# Allegro board T736_DEMO_DBOARD_V0-5-draft.brd (continued)
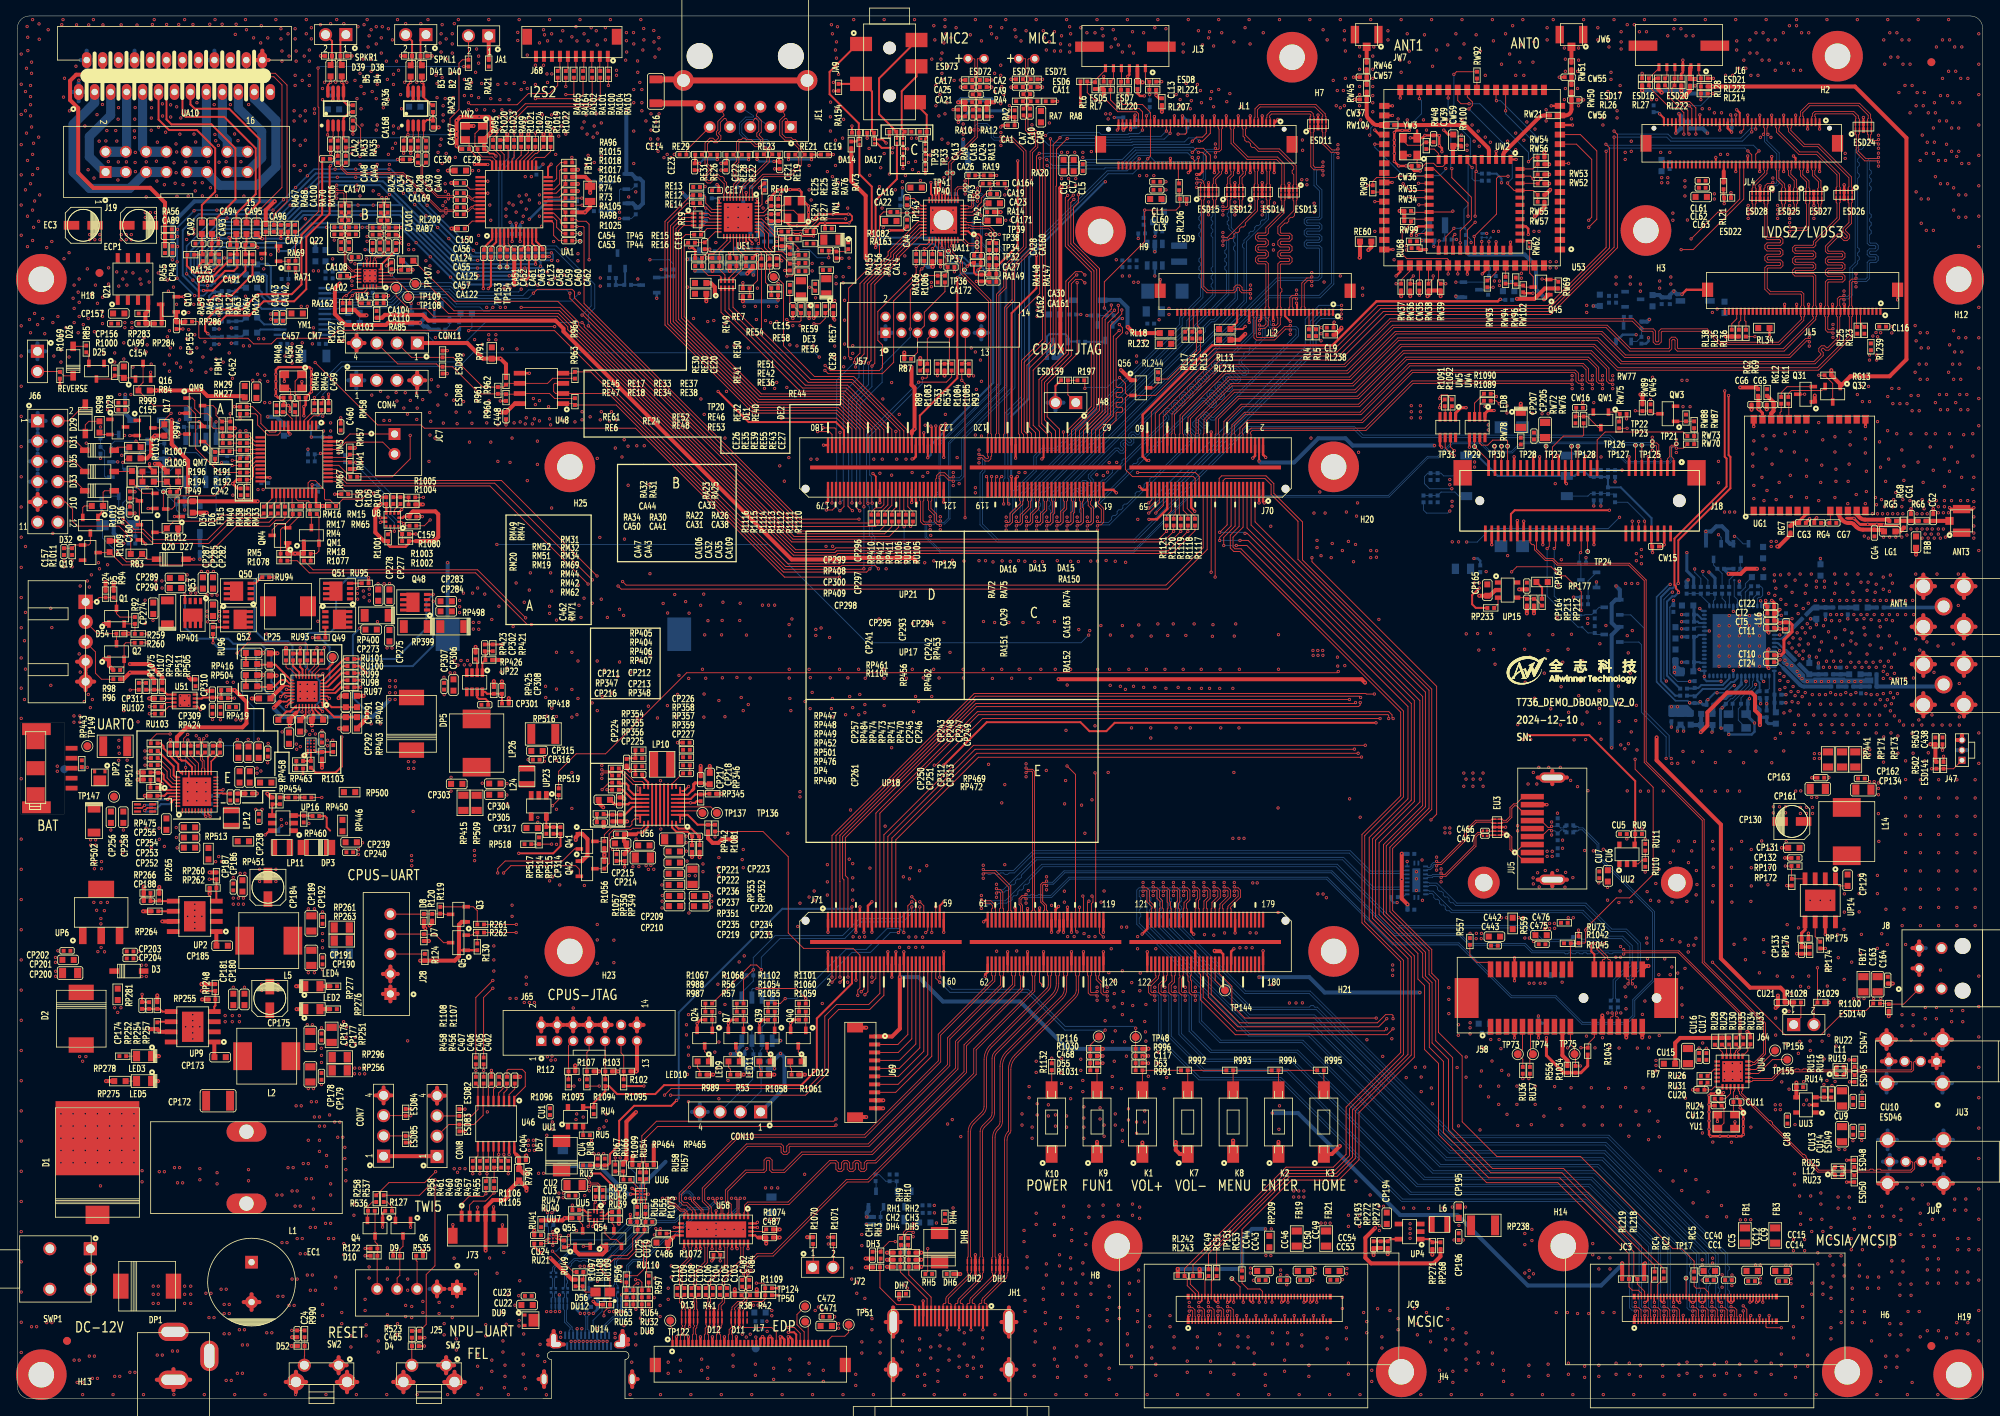
[diagram p0: board, top side]
## Footprints (pads in the part's own frame, mm; a bottom-side part is the same pattern mirrored in y, then rotated) (continued)
  rect 0.5x1.13 smd: 12(-4.5,-5.688) 13(-3.6,-5.688) 14(-2.7,-5.688) 15(-1.8,-5.688) 16(-0.9,-5.688) 17(0,-5.688) 18(0.9,-5.688) 19(1.8,-5.688) 20(2.7,-5.688) 21(3.6,-5.688) 22(4.5,-5.688) 34(4.5,5.688) 35(3.6,5.688) 36(2.7,5.688) 37(1.8,5.688) 38(0.9,5.688) 39(0,5.688) 40(-0.9,5.688) 41(-1.8,5.688) 42(-2.7,5.688) 43(-3.6,5.688) 44(-4.5,5.688)
SUB_WIFI64B2200_2200H290
  rect 1.3x0.75 smd: 1(-11,9) 2(-11,7.8) 3(-11,6.6) 4(-11,5.4) 5(-11,4.2) 6(-11,3) 7(-11,1.8) 8(-11,0.6) 9(-11,-0.6) 10(-11,-1.8) 11(-11,-3) 12(-11,-4.2) 13(-11,-5.4) 14(-11,-6.6) 15(-11,-7.8) 16(-11,-9) 33(11,-9) 34(11,-7.8) 35(11,-6.6) 36(11,-5.4) 37(11,-4.2) 38(11,-3) 39(11,-1.8) 40(11,-0.6) 41(11,0.6) 42(11,1.8) 43(11,3) 44(11,4.2) 45(11,5.4) 46(11,6.6) 47(11,7.8) 48(11,9)
  rect 0.75x1.3 smd: 17(-9,-11) 18(-7.8,-11) 19(-6.6,-11) 20(-5.4,-11) 21(-4.2,-11) 22(-3,-11) 23(-1.8,-11) 24(-0.6,-11) 25(0.6,-11) 26(1.8,-11) 27(3,-11) 28(4.2,-11) 29(5.4,-11) 30(6.6,-11) 31(7.8,-11) 32(9,-11) 49(9,11) 50(7.8,11) 51(6.6,11) 52(5.4,11) 53(4.2,11) 54(3,11) 55(1.8,11) 56(0.6,11) 57(-0.6,11) 58(-1.8,11) 59(-3,11) 60(-4.2,11) 61(-5.4,11) 62(-6.6,11) 63(-7.8,11) 64(-9,11)
SW5B830_1995H520
  rect 1.651x1.651 hole 1.1: 1(-2.54,4.374)
  round 1.651 hole 1.1: 2(0,4.374) 3(2.54,4.374) 4(-2.54,-0.706) 5(2.54,-0.706)
TO3B400_400H230_DIP
  rect 0.899x0.899 hole 0.599: 1(-1.27,0)
  round 0.899 hole 0.599: 2(0,0) 3(1.27,0)
TP30
  round 0.3 smd: 1(0,0)
TP100
  round 1.001 smd: 1(0,0)
unnamed#2
  round 1 smd: 1(0,0)
USB8P200B512_1925H1250
  rect 1.349x1.349 hole 0.919: 1(0,1.956)
  round 1.349 hole 0.919: 2(0,3.955) 3(0,5.954) 4(0,7.955)
  round 1.999 hole 1.349: 5(-2.736,8.225) 6(2.736,8.225) 7(-2.736,1.224) 8(2.736,1.224)
USB11P100B850_1500H1590_V_SMD
  rect 0.7x2.9 smd: 1(-3,2.51) 2(-1,2.51) 3(1,2.51) 4(3,2.51) 5(4,2.51) 6(2,2.51) 7(0,2.51) 8(-2,2.51) 9(-4,2.51)
  oval 1.3x3.3 hole 0.7x2.7: 10(-6.4,0) 11(6.4,0)
USB30P50B790_894H316_A
  oval 1x2 hole 0.6x1.6: 1(-4.32,3.275) 3(4.32,3.275)
  oval 1.6x1 hole 1.2x0.6: 2(-4.02,2.775) 4(4.02,2.775)
  oval 1x1.6 hole 0.6x1.2: 5(-5.52,-1.575) 6(5.52,-1.575)
  rect 0.25x0.95 smd: A1(-2.625,3.913) A2(-2.125,3.913) A3(-1.625,3.913) A4(-1.125,3.913) A5(-0.625,3.913) A6(-0.125,3.913) A7(0.375,3.913) A8(0.875,3.913) A9(1.375,3.913) A10(1.875,3.913) A11(2.375,3.913) A12(2.875,3.913) B1(2.625,2.56) B2(2.125,2.56) B3(1.625,2.56) B4(1.125,2.56) B5(0.625,2.56) B6(0.125,2.56) B7(-0.375,2.56) B8(-0.875,2.56) B9(-1.375,2.56) B10(-1.875,2.56) B11(-2.375,2.56) B12(-2.875,2.56)
X2B150_320H75_SMD
  rect 1.001x1.801 smd: 1(-1.25,0) 2(1.25,0)
X4B250_320H120_SMD
  rect 0.95x1.199 smd: 1(-0.874,1.1) 2(-0.874,-1.1) 3(0.874,-1.1) 4(0.874,1.1)

## Nets
3V3-STBY: D45.1 FB15.1 FBM1.1 RG9.1 RP278.2 RP281.2
+3V3A: CT36.1 CT37.1 FB12.2 FB13.1 L22.1 L23.2
+3V3D: CT34.1 CT35.1 FB11.2 FB12.1 L15.1 RA159.2 RT7.2 RT8.2 RT10.2
AVCC: J69.1 J71.38(P38) R996.1 R1030.1
AVDD10: CE9.2 CE10.2 CE11.2 RE5.2 UE1.3(AVDD10 3) UE1.8(AVDD10 8) UE1.38(AVDD10 38)
AVDD33: CE1.2 CE2.2 RE1.2 UE1.11(AVDD33 11) UE1.40(AVDD33 40)
DVDD: CA104.1 CA110.1 RA85.2 UA3.19(DVCC)
DVDD10: CE3.2 RE3.2 UE1.21(DVDD10 21)
DVDD33: CE4.2 CE5.2 RE4.2 RE11.1 RE13.1 RE36.2 RE42.2 RE44.2 RE51.2 RE54.2 RE58.2 UE1.29(DVDD33 29)
DVDD-CSI: CC5.2 CC46.2 JC3.56(P56) JC3.58(P58) JC9.56(P56) JC9.58(P58) RP238.2
DVDDRG: RE6.2 RE8.1 RE18.2 RE34.2 RE38.2 RE47.2 RE48.2 RE53.2 RE61.2 UE1.28(DVDD_RG)
GND: BT4.1(-) C24.2 C113.2 C117.1 C150.2 C151.2 C154.1 C155.1 C156.1 C157.1 C158.1 C159.1 C160.1 C163.2 C164.2 C242.2 C403.2 C404.1 C407.1 C438.1 C442.2 C443.2 C448.2 C449.1 C450.2 C451.2 C452.2 C453.2 C454.2 C455.2 C456.2 C457.1 C458.1 C459.1 C460.1 C461.1 C462.1 C465.2 C468.1 C471.2 C472.2 C473.2 C474.2 C475.2 C476.2 C477.2 C478.2 C479.1 C486.2 C487.1 CA1.1 CA2.2 CA3.1 CA4.2 CA5.1 CA6.1 CA11.1 CA13.1 CA14.1 CA15.2 CA16.2 CA17.2 CA25.1 CA27.2 CA31.1 CA34.2 CA36.2 CA37.2 CA38.2 CA41.1 CA42.2 CA45.2 CA46.2 CA50.2 CA56.2 CA64.1 CA65.1 CA66.2 CA89.2 CA90.1 CA91.1 CA96.1 CA97.1 CA98.1 CA100.2 CA101.2 CA102.2 CA103.2 CA104.2 CA105.2 CA106.2 CA107.2 CA108.2 CA109.2 CA110.2 CA122.2 CA123.1 CA138.2 CA139.2 CA140.2 CA141.2 CA142.2 CA143.2 CA144.2 CA145.2 CA147.2 CA151.2 CA152.2 CA153.2 CA158.2 CA159.2 CA161.2 CA162.2 CA167.2 CA168.2 CA172.2 CC1.1 CC5.1 CC9.1 CC12.1 CC14.1 CC15.1 CC40.1 CC43.1 CC44.1 CC46.1 CC49.1 CC50.1 CC53.1 CC54.1 CE1.1 CE2.1 CE3.1 CE4.1 CE5.1 CE6.1 CE7.1 CE8.1 CE9.1 CE10.1 CE11.1 CE14.2 CE15.1 CE16.1 CE17.1 CE18.2 CE19.1 CE20.1 CE21.1 CE22.1 CE23.1 CE24.1 CE25.1 CE26.1 CE27.1 CE28.1 CE29.1 CE30.1 CH1.1 CH2.1 CH3.1 CH4.1 CH5.1 CL1.2 CL2.1 CL3.2 CL4.2 CL5.2 CL6.2 CL7.2 CL8.2 CL9.1 CL11.1 CL12.1 CL13.2 CL14.2 CL15.2 CL16.1 CL18.1 CL19.1 CL20.2 CL60.2 CL61.2 CL62.2 CL63.2 CL64.2 CL65.2 CL66.2 CL67.1 CL68.1 CL69.1 CM7.1 CON4.4 CON7.4 CON8.4 CON10.4 CON11.4 CP48.1 CP130.2 CP131.1 CP132.1 CP134.2 CP155.2 CP156.1 CP157.1 CP161.2 CP162.1 CP163.1 CP164.1 CP165.1 CP166.1 CP172.2 CP175.2 CP176.2 CP177.1 CP178.2 CP179.1 CP180.1 CP181.1 CP184.2 CP186.1 CP187.1 CP189.2 CP190.2 CP191.1 CP192.1 CP194.2 CP195.2 CP196.2 CP200.1 CP201.1 CP202.1 CP203.1 CP204.1 CP205.2 CP206.2 CP207.1 CP208.1 CP209.1 CP210.1 CP211.2 CP212.2 CP213.2 CP214.2 CP215.2 CP216.2 CP217.2 CP218.2 CP219.1 CP220.1 CP221.1 CP222.1 CP224.2 CP226.2 CP233.1 CP234.1 CP235.1 CP236.1 CP237.1 CP238.2 CP239.1 CP240.1 CP241.2 CP242.2 CP243.1 CP244.1 CP245.2 CP246.2 CP247.1 CP248.1 CP249.1 CP252.1 CP253.1 CP254.1 CP255.2 CP256.2 CP257.1 CP258.1 CP260.1 CP261.1 CP275.2 CP276.2 CP277.2 CP278.2 CP279.2 CP280.2 CP281.2 CP282.2 CP283.2 CP284.2 CP285.2 CP286.2 CP287.2 CP288.2 CP289.2 CP290.2 CP291.2 CP292.2 CP293.1 CP296.2 CP297.2 CP298.2 CP299.2 CP300.2 CP303.2 CP304.2 CP305.2 CP306.2 CP307.2 CP308.2 CP309.1 CP310.1 CP311.2 CP312.2 CP313.2 CP315.2 CP316.2 CP317.2 CT40.1 CU1.1 CU2.1 CU3.1 CU4.1 CU5.1 CU6.1 CU7.1 CU8.1 CU9.1 CU10.1 CU11.2 CU12.2 CU13.1 CU14.1 CU15.1 CU16.1 CU17.1 CU18.1 CU19.1 CU20.1 CU21.1 CU22.2 CU23.2 CU24.1 CU25.1 CW14.1 CW15.2 CW16.1 CW17.1 CW18.1 CW19.1 CW20.1 CW21.1 CW22.1 CW23.1 CW35.1 CW36.2 CW37.1 CW39.2 CW45.1 CW53.2 CW54.1 CW55.1 CW56.1 CW57.1 CW59.2 D1.1 D3.1 D4.1(ANODE) D5.1(ANODE) D7.1(ANODE) D8.1(ANODE) D9.1(ANODE) D10.1(ANODE) D11.3(GND1) D11.8(GND2) D12.3(GND1) D12.8(GND2) D13.3(GND1) D13.8(GND2) D25.1 D27.1 D28.1 D30.1 D32.1 D34.1 D36.1 D38.1(ANODE) D39.1(ANODE) D40.1(ANODE) D41.1(ANODE) D52.1(ANODE) D53.1(ANODE) D54.1(ANODE) D55.1(ANODE) DA13.1(ANODE) DA14.1(ANODE) DA15.1(ANODE) DA16.1(ANODE) DA17.1(ANODE) DH1.3(GND1) DH1.8(GND2) DH2.3(GND1) DH2.8(GND2) DH3.1(ANODE) DH4.1(ANODE) DH5.1(ANODE) DH6.1(ANODE) DH7.1(ANODE) DH10.1(ANODE) DU8.1(ANODE) DU9.1 DU9.2 DU10.1(ANODE) DU11.1(ANODE) DU12.1(ANODE) DU13.1(ANODE) DU14.1(ANODE) EC1.2 EC3.2 ECP1.2 ESD5.1(ANODE) ESD6.1(ANODE) ESD7.1(ANODE) ESD8.1(ANODE) ESD9.1(ANODE) ESD10.1(ANODE) ESD11.3(GND1) ESD11.8(GND2) ESD12.3(GND1) ESD12.8(GND2) ESD13.3(GND1) ESD13.8(GND2) ESD14.3(GND1) ESD14.8(GND2) ESD15.3(GND1) ESD15.8(GND2) ESD16.1(ANODE) ESD17.1(ANODE) ESD20.1(ANODE) ESD21.1(ANODE) ESD22.1(ANODE) ESD23.1(ANODE) ESD24.3(GND1) ESD24.8(GND2) ESD25.3(GND1) ESD25.8(GND2) ESD26.3(GND1) ESD26.8(GND2) ESD27.3(GND1) ESD27.8(GND2) ESD28.3(GND1) ESD28.8(GND2) ESD42.1(ANODE) ESD43.1(ANODE) ESD44.1(ANODE) ESD45.1(ANODE) ESD46.1(ANODE) ESD47.1(ANODE) ESD48.1(ANODE) ESD49.1(ANODE) ESD50.1(ANODE) ESD54.2(CATHODE) ESD55.2(CATHODE) ESD56.2(CATHODE) ESD57.2(CATHODE) ESD70.1(ANODE) ESD71.1(ANODE) ESD72.1(ANODE) ESD73.1(ANODE) ESD82.1(ANODE) ESD83.1(ANODE) ESD84.1(ANODE) ESD85.1(ANODE) ESD86.1(ANODE) ESD87.1(ANODE) ESD88.1(ANODE) ESD89.1(ANODE) ESD139.1(ANODE) ESD140.1(ANODE) ESD141.1(ANODE) EU1.3(GND#3) EU1.8(GND#8) EU2.3(GND#3) EU2.8(GND#8) EU3.3(GND#3) EU3.8(GND#8) FB8.2 FB14.1 H2.1 H3.1 H4.1 H6.1 H7.1 H8.1 H9.1 H12.1 H13.1 H14.1 H18.1 H19.1 H20.1 H21.1 H23.1 H25.1 J1.2(CENTER2) J3.1(GND) J3.9(GND1) J3.10(GND2) J3.11(GND3) J3.12(GND4) J8.3(GND) J10.9 J18.4(GND8) J18.9(GND0) J18.15(GND1) J18.18(GND9) J18.21(GND2) J18.26(GND10) J18.27(GND3) J18.29(GND4) J18.34(GND11) J18.35(GND5) J18.37(GND6) J18.40(GND12) J18.43(GND7) J18.50(GND13) J18.53 J18.54 J18.55 J18.56 J24.4 J24.5 J25.1 J25.2 J28.1 J28.2 J47.2(GND) J48.2 J57.2 J57.4 J57.6 J57.8 J57.10 J57.14 J58.37(GND-FIX#37) J58.38(GND-FIX#38) J58.A4(GND5) J58.A12(GND6) J58.A15(GND7) J58.A18(GND8) J58.B4(GND1) J58.B7(GND2) J58.B13(GND3) J58.B16(GND4) J58.B18(GND) J65.2 J65.4 J65.6 J65.8 J65.10 J65.14 J68.9 J68.10 J68.11 J68.12 J69.9 J69.10 J69.11 J69.12 J70.1(P1) J70.2(P2) J70.6(P6) J70.28(P28) J70.37(P37) J70.49(P49) J70.50(P50) J70.59(P59) J70.60(P60) J70.61(P61) J70.83(P83) J70.105(P105) J70.106(P106) J70.121(P121) J70.122(P122) J70.136(P136) J70.137(P137) J70.179(P179) J70.180(P180) J70.181(GND1) J70.182(GND2) J70.183(GND3) J71.1(P1) J71.2(P2) J71.15(P15) J71.19(P19) J71.23(P23) J71.32(P32) J71.36(P36) J71.40(P40) J71.59(P59) J71.60(P60) J71.61(P61) J71.62(P62) J71.72(P72) J71.75(P75) J71.81(P81) J71.82(P82) J71.87(P87) J71.90(P90) J71.93(P93) J71.99(P99) J71.103(P103) J71.104(P104) J71.110(P110) J71.119(P119) J71.120(P120) J71.121(P121) J71.122(P122) J71.143(P143) J71.146(P146) J71.165(P165) J71.180(P180) J71.181(GND1) J71.182(GND2) J71.183(GND3) J73.5 J73.6 J73.7 JC3.1(P1) JC3.7(P7) JC3.10(P10) JC3.13(P13) JC3.14(P14) JC3.18(P18) JC3.19(P19) JC3.20(P20) JC3.25(P25) JC3.26(P26) JC3.28(P28) JC3.30(P30) JC3.31(P31) JC3.36(P36) JC3.37(P37) JC3.40(P40) JC3.42(P42) JC3.43(P43) JC3.46(P46) JC3.49(P49) JC3.50(P50) JC3.54(P54) JC3.55(P55) JC3.60(P60) JC3.61(P61) JC3.62(P62) JC3.64(P64) JC3.67(P67) JC3.73(P73) JC3.74(P74) JC3.76(P76) JC3.78(P78) JC3.79(P79) JC3.80(P80) JC3.82(P82) JC3.85(P85) JC9.1(P1) JC9.7(P7) JC9.10(P10) JC9.13(P13) JC9.14(P14) JC9.18(P18) JC9.19(P19) JC9.20(P20) JC9.25(P25) JC9.26(P26) JC9.28(P28) JC9.30(P30) JC9.31(P31) JC9.36(P36) JC9.37(P37) JC9.40(P40) JC9.42(P42) JC9.43(P43) JC9.46(P46) JC9.49(P49) JC9.50(P50) JC9.54(P54) JC9.55(P55) JC9.60(P60) JC9.61(P61) JC9.62(P62) JC9.64(P64) JC9.67(P67) JC9.73(P73) JC9.74(P74) JC9.76(P76) JC9.78(P78) JC9.79(P79) JC9.80(P80) JC9.82(P82) JC9.85(P85) JE1.10(GND) JH1.2(G_D2) JH1.5(G_D1) JH1.8(G_D0) JH1.11(G_CLK) JH1.17(G_DDC/CEC) JH1.20(SHIELD1) JH1.21(SHIELD2) JH1.22(SHIELD3) JH1.23(SHIELD4) JL1.1(P1) JL1.2(P2) JL1.7(P7) JL1.8(P8) JL1.13(P13) JL1.14(P14) JL1.19(P19) JL1.20(P20) JL1.25(P25) JL1.26(P26) JL1.31(P31) JL1.32(P32) JL1.37(P37) JL1.38(P38) JL1.41(P41) JL1.44(P44) JL1.47(P47) JL1.51(P51) JL1.54(P54) JL1.61(P61) JL1.62(P62) JL1.64(P64) JL1.66(P66) JL1.68(P68) JL1.70(P70) JL1.73(P73) JL1.79(P79) JL1.81(GND0) JL1.82(GND1) JL2.10(VSS0) JL2.13(VSS1) JL2.16(VSS2) JL2.19(GND1) JL2.22(GND2) JL2.25(GND3) JL2.41(GND4) JL2.42(GND5) JL3.3(GND) JL3.7(GND0) JL3.8(GND1) JL4.1(P1) JL4.2(P2) JL4.7(P7) JL4.8(P8) JL4.13(P13) JL4.14(P14) JL4.19(P19) JL4.20(P20) JL4.25(P25) JL4.26(P26) JL4.31(P31) JL4.32(P32) JL4.37(P37) JL4.38(P38) JL4.41(P41) JL4.44(P44) JL4.47(P47) JL4.51(P51) JL4.54(P54) JL4.61(P61) JL4.62(P62) JL4.64(P64) JL4.66(P66) JL4.68(P68) JL4.70(P70) JL4.73(P73) JL4.79(P79) JL4.81(GND0) JL4.82(GND1) JL5.10(VSS0) JL5.13(VSS1) JL5.16(VSS2) JL5.19(GND1) JL5.22(GND2) JL5.25(GND3) JL5.41(GND4) JL5.42(GND5) JL6.3(GND) JL6.7(GND0) JL6.8(GND1) JL7.2(39_HGND5) JL7.5(36_H_GND4) JL7.8(33_H_GND3) JL7.11(30_H_GND2) JL7.14(27_H_GND1) JL7.17(24_H_GND0) JL7.23(18_LCD_GND3) JL7.24(17_LCD_GND2) JL7.25(16_LCD_GND1) JL7.26(15_LCD_GND0) JL7.28(13_BL_GND3) JL7.29(12_BL_GND2) JL7.30(11_BL_GND1) JL7.31(10_BL_GND0) JU2.1(SHIELD1) JU2.2(SHIELD2) JU2.3(SHIELD3) JU2.4(SHIELD4) JU2.5(SHIELD5) JU2.6(SHIELD6) JU2.A1(GND2) JU2.A12(GND1) JU2.B1(GND4) JU2.B12(GND3) JU3.4(GND) JU3.5(SHIELD1) JU3.6(SHIELD2) JU3.7(SHIELD3) JU3.8(SHIELD4) JU4.4(GND) JU4.5(SHIELD1) JU4.6(SHIELD2) JU4.7(SHIELD3) JU4.8(SHIELD4) JU5.4(GND) JU5.7(GND-DRAIN) JU5.10(SHIELD-1) JU5.11(SHIELD-2) JW6.1(G1) JW6.2(G2) JW7.1(G1) JW7.2(G2) K1.1 K2.1 K3.1 K7.1 K8.1 K9.1 K10.1 LED2.2(C) LED3.2(C) LED4.2(C) LED5.2(C) Q7.2(E) Q10.2(E) Q14.2(E) Q16.2(E) Q17.2(E) Q18.2(E) Q19.2(E) Q20.2(E) Q22.2(E) Q24.2(E) Q39.2(E) Q40.2(E) Q47.2(E) Q51.1(S1) Q51.2(S2) Q51.3(S3) Q52.1(S1) Q52.2(S2) Q52.3(S3) QH5.2(E) QL2.2(E) QL4.2(E) QM7.2(E) QM9.2(E) QW1.2(E) QW2.2(E) QW3.2(E) R41.1 R42.1 R57.1 R86.2 R94.2 R106.2 R120.2 R122.2 R196.2 R199.1 R453.2 R533.2 R557.1 R960.2 R987.1 R999.2 R1000.2 R1003.1 R1008.2 R1011.2 R1015.1 R1016.1 R1017.1 R1019.1 R1020.1 R1021.1 R1022.1 R1023.1 R1024.1 R1029.1 R1037.1 R1045.2 R1055.1 R1059.1 R1069.1 R1071.1 R1072.1 R1073.1 R1074.1 RA8.1 RA13.1 RA14.1 RA18.2 RA19.2 RA20.2 RA22.2 RA24.1 RA26.1 RA30.2 RA34.1 RA56.1 RA70.1 RA71.1 RA116.1 RA119.1 RA120.1 RA121.1 RA135.1 RA136.1 RA143.1 RA150.2 RA151.1 RA152.1 RA154.1 RE10.1 RE17.1 RE27.1 RE33.1 RE37.1 RE39.1 RE41.1 RE45.1 RE46.1 RE49.1 RE50.1 RE52.1 RE55.1 RE59.1 RH21.2 RH25.1 RL9.2 RL12.1 RL13.1 RL30.2 RL33.1 RL34.1 RL225.2 RL227.1 RL230.1 RL236.2 RM20.1 RM52.1 RM62.2 RM63.2 RM67.2 RP172.1 RP174.1 RP175.1 RP213.2 RP254.1 RP255.2 RP257.1 RP262.1 RP264.1 RP265.1 RP271.2 RP273.1 RP346.2 RP348.2 RP350.1 RP411.1 RP412.1 RP423.1 RP424.1 RP425.1 RP426.1 RP458.2 RP459.2 RP460.2 RP462.1 RP472.2 RP491.2 RP492.2 RP505.1 RP512.1 RP514.1 RP517.2 RU4.1 RU5.1 RU8.1 RU9.1 RU10.1 RU11.1 RU14.1 RU15.1 RU16.1 RU32.2 RU33.1 RU65.2 RW33.2 RW43.1 RW47.1 RW56.1 RW57.1 RW77.1 RW82.1 RW88.1 RW102.1 SW2.1 SW2.3 SW2.4 SW3.1 SW3.3 SW3.4 U8.4(NC) U8.8(GNDIO) U8.9(GND) U43.4(GND) U46.15(GND) U47.5(GND) U48.5(GND) U53.1(GND1) U53.14(GND2) U53.16(GND3) U53.32(GND4) U53.33(GND5) U53.34(GND6) U53.36(GND7) U53.41(GND8) U53.48(GND9) U53.49(GND10) U53.56(GND11) U53.58(GND12) U53.63(GND13) U53.64(GND14) U56.5(AGND) U56.13(PGND) U57.14(GND) U58.18(GND1) U58.22(GND2) U58.25(GND3) U58.29(GND4) U58.35(GND5) U58.38(GND6) U58.42(GND7) U58.43(EPAD) U59.5(GND1) U59.11(GND2) U59.20(GND3) U59.21(EPAD) UA1.7(VSS1) UA1.24(VSS2) UA1.38(VSS3) UA1.41(VSS4) UA2.7(GND) UA3.9(AGND) UA3.14(DEV_ID0) UA3.15(DEV_ID1) UA3.21(GND) UA4.7(GND) UA10.1(TAB) UA10.2(P-GND01) UA10.8(P-GND02) UA10.13(S-GND) UA10.18(P-GND03) UA10.24(P-GND04) UA11.41(E-PAD/GND) UE1.41(EGND) UL1.2(GND) UM3.8(VSSA) UM3.23(VSS_1) UM3.35(VSS_2) UM3.47(VSS_3) UP2.7(GND) UP2.9(EPAD) UP4.2(GND) UP6.2(GND) UP6.4(EGND) UP9.7(GND) UP9.9(EPAD) UP14.7(GND) UP14.9(EPAD) UP15.2(GND) UP16.2(GND) UP17.A1(EN#) UP17.A4(GND0) UP17.B4(GND1) UP17.C4(GND2) UP18.28(GND) UP18.41(EP) UP21.33(EPAD) UP22.3(GND#3) UP22.4(GND#4) UP23.2(GND) UU1.2(GND) UU2.2(GND) UU3.2(GND) UU4.25(GND) UU5.6(GND) UU6.C2(GND) UU7.C2(GND) UW2.1(GND1) UW2.3(GND2) UW2.20(GND3) UW2.31(GND4) UW2.33(GND5) UW2.36(GND6) UW4.5(GND) UW5.5(GND) YM1.2(GND2) YM1.4(GND1) YN1.2(GND1) YN1.4(GND2) YN2.2(GND1) YN2.4(GND2) YU1.2(GND1) YU1.4(GND2) YW3.2(GND1) YW3.4(GND2)
GND-BAT: DP2.1 DP2.2 JP11.4 JP11.5 JP11.6 JP12.3(GND) RP443.1 RP505.2 RP512.2 TP149.1(TP) U51.4(GND) U51.9(EP)
GND_ADC: ANT4.2 ANT4.3 ANT4.4 ANT4.5 ANT5.2 ANT5.3 ANT5.4 ANT5.5 CT1.2 CT2.2 CT5.2 CT6.1 CT7.1 CT8.1 CT9.1 CT10.1 CT11.2 CT12.2 CT13.1 CT14.1 CT21.1 CT22.1 CT24.1 CT26.2 CT27.1 CT28.1 CT29.1 CT30.1 CT31.1 CT32.2 CT33.2 CT34.2 CT35.2 CT36.2 CT37.2 CT38.2 CT39.2 FB14.2 L17.2 L19.1 RT11.2 RT12.1 RT15.1 UT1.2(SIG_GND_DAB3) UT1.6(SIG_GND_FM1-01) UT1.7(SIG_GND_FM1-02) UT1.10(SIG_GND_FM2-01) UT1.11(SIG_GND_FM2-02) UT1.15(GND_RF) UT1.19(GND_PLL) UT1.23(GND_GLOBAL) UT1.26(GND_DAC) UT1.33(GND_DIG-03) UT1.43(GND_DIG-02) UT1.48(GND_DIG-01) UT1.55(TEST_D) UT1.62(DABL_IN) UT1.63(GND_DABL) UT1.65(EPAD) Y4.2 Y4.4
GND_SIGNAL: ANT3.1(CENTER2) ANT3.2(SHIELD2) CG1.1 CG2.1 CG3.1 CG4.1 CG5.1 CG6.1 CG7.2 FB8.1 UG1.10(GND1) UG1.12(GND2) UG1.13(GND3) UG1.24(GND4)
VBAT: CP256.1 CP258.2 DP2.3 JP11.1 JP11.2 JP11.7 JP12.1(BAT) RP475.4(O2) RP475.6(O1) RP502.2 TP147.1(TP)
VBAT-H: CP274.2 CP289.1 CP290.1 RP401.1 RP419.2 RP502.1 UP21.20(CSN_VBAT)
VBUS: CP273.1 CP275.1 CP276.1 CP277.1 CP278.1 CP279.1 CP280.1 Q48.5(D1) RP399.1 RP400.2 RP402.2 UP21.3(VBUS)
VBUS-5V-1: CU6.2 CU7.2 ESD44.2(CATHODE) JU5.1(VBUS) UU2.1(OUT)
VBUS-5V-2: CU9.2 CU10.2 CU13.2 CU14.2 ESD46.2(CATHODE) ESD49.2(CATHODE) JU3.1(VBUS) JU4.1(VBUS) UU3.1(OUT)
VBUS-AXP515-ONBOARD: CP241.1 CP243.2 CP247.2 CP248.2 CP249.2 RP444.1 RP445.1 RP476.1 UP17.A2(OUT0) UP17.A3(OUT1) UP17.B2(OUT2) UP18.19(VBUS1) UP18.20(VBUS2)
VBUS-BMU-ONBOARD: CP252.2 CP253.2 CP254.2 LP12.2 RP451.2 RP513.2 UP18.4(VSYS1) UP18.5(VSYS2) UP18.6(VSYS3) UP18.7(VSYS4)
VBUSM: RU29.2 UU4.17(VBUSM)
VCC: CP298.1 UP21.19(VCC)
VCC33-USB: J71.97(P97) RP464.1 RP465.1 RU38.1 RU39.2 RU40.2 RU41.2 UU6.A3(VDD)
VCC33-USB-2: CU21.2 J71.95(P95) R1028.2 R1122.2 R1123.2 RU68.2 U59.6(VCC)
VCC33-VL: CA140.1 CA141.1 RA132.1 RA145.2 RA160.1 RL233.2 U57.1(VL)
VCC-1V8: J71.167(P167) J71.169(P169)
VCC-1V8-AUDIO: J70.135(P135) RA85.1
VCC-3V3: C152.2 CL8.1 CL15.1 FB3.2 FB7.1 FB21.2 J57.1 J57.13 J68.8 J71.171(P171) J71.173(P173) J71.175(P175) J73.4 JL1.75(P75) JL1.77(P77) JL4.75(P75) JL4.77(P77) Q12.2(S) R53.2 R79.2 R96.1 R535.1 R790.2 R791.2 R989.2 R1058.2 R1061.2 RA21.2 RA86.1 RA158.1 RA159.1 RA160.2 RA161.1 RG2.1 RG7.1 RL3.2 RL28.2 RL238.2 RL239.2 RP422.2 RP516.2
VCC-3V3-CODEC: CA3.2 CA5.2 CA6.2 RA161.2 UA11.15(VCC)
VCC-3V3-DEV: J71.177(P177) J71.179(P179) RE60.1 RU68.1 RU73.1 RW99.1 RW100.1
VCC-3V3-EN: J71.158(P158) RP519.2
VCC-3V3-GPHY: J70.155(P155) RE1.1 RE4.1 RE60.2 RE61.1
VCC-3V3-PCIE: C475.1 C476.1 C477.1 C478.1 J58.A9(+3.3V-2) J58.A10(+3.3V-3) J58.B8(+3.3V-1) J71.160(P160) R556.2 R1034.2 R1042.2 R1043.2 RP441.2 RU73.2
VCC-3V3-WIFI: CW59.1 J70.153(P153) RW100.2 U53.3(VDD33_WL1) U53.4(VDD33_WL2) U53.5(VDD33_WL3) UW2.9(VBAT)
VCC-5V: B1.1 C471.1 C472.1 CH6.2 CL1.1 CL3.1 CL60.1 CL61.1 CL62.1 CL63.1 CP194.1 FB1.2 FB17.1 FB19.2 J71.168(P168) J71.170(P170) JL1.56(P56) JL1.58(P58) JL1.60(P60) JL4.56(P56) JL4.58(P58) JL4.60(P60) JL7.36(5_BL_PWR_3) JL7.37(4_BL_PWR_2) JL7.38(3_BL_PWR_1) JL7.39(2_BL_PWR_0) QH4.2(S) RA162.1 RH20.2 RL226.1 RP253.2 RP256.2 RP261.2 RP263.2 RP268.2 RP277.2 RP415.1 RP416.2 RP484.1 RP500.1 UP4.4(IN) UU6.B1(VCONN)
VCC-5V-COD: CA142.1 CA143.1 RA162.2 U57.15(VA)
VCC-5V-HDMI: DH7.2(CATHODE) DH9.2 JH1.18(+5V) RH1.2 RH2.2
VCC-5V-ONBOARD: RP446.1 RP469.1 RP500.2
VCC-5V-SPA: B1.2 CA36.1 CA37.1 CA45.1 CA46.1 UA2.6(VDD) UA4.6(VDD)
VCC-5V-USB: CU1.2 CU5.2 CU8.2 RP259.2 RP296.2 RP299.2 RP300.2 UU1.5(IN) UU2.5(IN) UU3.5(IN)
VCC-12V-PCIE: C442.1 C443.1 C473.1 C474.1 J58.A2(+12V-4) J58.A3(+12V-5) J58.B1(+12V-1) J58.B2(+12V-2) J58.B3(+12V-3) R559.2
VCC-232-3V3: C402.2 C404.2 CON7.1 CON8.1 R790.1 U46.16(VCC)
VCC-485-3V3: C403.1 C448.1 CON10.1 CON11.1 R451.1 R791.1 R962.1 U47.8(VCC) U48.8(VCC)
VCC-CTP0: CL13.1 JL3.2(VCC) RL3.1
VCC-CTP1: CL20.1 JL6.2(VCC) RL28.1
VCC-DSP-3V3: C150.1 C151.1 FB16.1 Q12.3(D) R71.2 R72.2 R1018.2 RA158.2 UA1.25(TVDD) UA1.37(VDD33) UA1.39(LVDD)
VCC-IO: J71.164(P164) Q1.1(G) Q2.1(G) R87.2 R89.2 R93.2 R98.1 R534.2 RA94.2 RA163.1 RA166.1 RH4.1
VCC-LCD: CL9.2 JL2.2(VDD0) JL2.3(VDD1) JL2.4(VDDEDID) RL4.1 RL5.1 RL14.1 RL17.2 RL238.1 RL244.1
VCC-LCD1: CL16.2 JL5.2(VDD0) JL5.3(VDD1) JL5.4(VDDEDID) RL23.1 RL25.1 RL35.1 RL38.2 RL239.1 RP304.1
VCC-LCD-EDP: C113.1 C479.2 C486.1 C487.2 DH10.2(CATHODE) JL7.18(23_LCD_VCC3) JL7.19(22_LCD_VCC2) JL7.20(21_LCD_VCC1) JL7.21(20_LCD_VCC0) R38.2 R1070.2 R1109.2 RP304.2 U58.9(VCC1) U58.19(VCC2) U58.21(VCC3) U58.26(VCC4) U58.31(VCC5) U58.34(VCC6) U58.39(VCC7) U58.41(VCC8)
VCC-LTE18: RP177.2 RW80.2 RW81.2 UW4.4(OE) UW4.8(VCCA) UW5.4(OE) UW5.8(VCCA)
VCC-MCU: C153.2 C452.1 C453.1 C454.1 C455.1 C458.2 C459.2 C460.2 C461.2 C462.2 CON4.1 FBM1.2 Q15.2(E) R82.1 R84.2 R997.2 R1004.2 R1006.2 R1009.2 R1012.2 RH23.1 RM15.2 RM17.2 RM48.2 RM57.1 RM58.1 RM65.1 RM70.2 RM71.2 RW89.2 UM3.1(VBAT) UM3.9(VDDA) UM3.24(VDD_1) UM3.36(VDD_2) UM3.48(VDD_3)
VCC-PD: J70.107(P107) RL6.2 RL7.2 RL207.2 RL220.2 RL221.2
VCC-PE: J70.3(P3) Q54.1(G) Q55.1(G) Q56.1(G) RL218.2 RL219.2 RL242.2 RL243.2 RP209.1
VCC-PG: J70.92(P92) RP456.1 RW103.1
VCC-PH: J70.138(P138) Q25.1(G) Q26.1(G) Q27.1(G) Q28.1(G) R69.2 R70.2 R1026.2 R1027.2 RA15.1 RA16.1 RA17.1 RE6.1
VCC-PI: J71.21(P21) Q29.1(G) Q30.1(G) Q31.1(G) Q32.1(G) Q41.1(G) Q42.1(G) RG13.2 RL26.2 RL27.2 RL222.2 RL223.2 RP442.2
VCC-PJ: J70.4(P4) RL215.2 UW4.1(VCCB) UW5.1(VCCB)
VCC-PK: J71.124(P124)
VCC-PL: J65.1 J65.13 J71.34(P34) Q3.1(G) Q4.1(G) Q5.1(G) Q6.1(G) Q9.1(G) Q23.1(G) QM1.1(GATE) QM4.1(GATE) R102.2 R103.2 R107.2 R112.2 R124.1 R127.1 R130.1 R466.2 R469.2 R502.2 R503.2 R1062.2 RM5.2 RM18.2 RP511.2 RT13.2 RT14.2 RU54.1 RU109.2
VCC-PM: J71.17(P17) Q45.1(G) Q46.1(G) RW31.2
VCC-RTC: J71.101(P101) RM47.2 RP501.1
VCC-RTC-IC: C449.2 D45.2 D46.2 R465.2 R785.2 U43.8(VDD)
VCC-SYS-5V: CP317.1 J71.172(P172) J71.174(P174) J71.176(P176) RP247.2 RP251.2 RP276.2 RP509.1 RP513.1 RP518.2 UP23.4(IN)
VCCA-DSP-3V3: CA64.2 CA65.2 CA66.1 FB16.2 RA105.1 UA1.6(AVDD) UA1.8(VREFH)
VCCIO-CAM: CC1.2 CC40.2 CC43.2 CC44.2 JC3.52(P52) JC9.52(P52) RP209.2
VCCIO-CODEC: CA4.1 RA163.2 UA11.25(VDD-IO)
VCCIO-LCD0: CL4.1 JL1.71(P71) RL207.1
VCCIO-LCD1: CL14.1 JL4.71(P71) RL215.1
VCCIO-WIFI: CW22.2 CW53.1 CW54.2 RW34.2 RW35.2 RW36.2 RW37.2 RW38.2 RW39.2 RW40.2 RW44.2 RW52.2 RW53.2 RW54.2 RW55.2 RW69.2 RW96.2 RW97.2 RW99.2 RW103.2 U53.61(VDD_IO1) U53.62(VDD_IO2) UW2.22(VDDIO)
2.5_VREF: CT2.1 CT5.1 CT10.2 CT22.2 L16.1 UT1.1(DA3B_VCC) UT1.4(REF1_FM_DAB) UT1.12(FM2_VCC) UT1.64(DABL_VCC)
4G-I2C-SCK: J18.30(I2C_SCL) Q29.3(D) RW80.1 TP25.1(TP)
4G-I2C-SDA: J18.32(I2C_SDA) Q30.3(D) RW81.1 TP26.1(TP)
4G-I2S-BCLK: R1089.2 UW4.2(B1)
4G-I2S-DIN: R1092.2 UW5.2(B1)
4G-I2S-DOUT: R1091.2 UW5.3(B2)
4G-I2S-LRCK: R1090.2 UW4.3(B2)
4G-LED: J18.42(LED_WWAN#) LED8.2(C)
4G-WAKEUP-MCU: CW45.2 QW3.3(C) RM45.1 RW89.1
A1: CON10.2 ESD86.2(CATHODE) R450.1 R451.2 R452.1 U47.6(A)
A2: CON11.2 ESD89.2(CATHODE) R961.1 R962.2 R964.1 U48.6(A)
AC107-RST: CA101.1 RA87.1 RL209.2 UA3.4(RETN)
ACC-DET: D29.2 J10.2
AMP-12V: CP48.2 ECP1.1 Q21.5(D-4) Q21.6(D-3) Q21.7(D-2) Q21.8(D-1) RA55.2 RA67.2 UA10.6(VCC01) UA10.20(VCC02)
AMP-FL+: J19.6 J19.8 UA10.9(OUT1+)
AMP-FL-: J19.2 J19.4 UA10.7(OUT1-)
AMP-FR+: J19.1 J19.3 UA10.5(OUT2+)
AMP-FR-: J19.5 J19.7 UA10.3(OUT2-)
AMP-RL+: J19.10 J19.12 UA10.17(OUT3+)
AMP-RL-: J19.14 J19.16 UA10.19(OUT3- / RF-)
AMP-RR+: J19.13 J19.15 UA10.21(OUT4+)
AMP-RR-: J19.9 J19.11 UA10.23(OUT4-)
ANT0: CW56.2 RW21.2 RW50.1 U53.15(RF0_WIFI_BT)
ANT1: CW37.2 RW45.1 RW104.2 U53.35(RF1_WIFI)
ANT-BIAS: CG4.2 LG1.1 UG1.9(ANT_BIAS)
AOUT1: CA153.1 RA117.1 RA124.1
AOUT2: CA152.1 RA118.1 RA125.1
AOUT3: CA151.1 RA122.1 RA126.1
AOUT3L: CA53.2 UA1.13(AOUT3L)
AOUT3R: CA54.2 UA1.14(AOUT3R)
AOUT4: CA147.1 RA123.1 RA127.1
AOUT5: CA159.1 CA169.2 RA137.1
AOUT6: CA158.1 CA170.2 RA138.1
AOUT_1: CA146.1 U57.19(AOUT1)
AOUT_2: CA148.1 U57.18(AOUT2)
AOUT_3: CA149.1 U57.17(AOUT3)
AOUT_4: CA150.1 U57.16(AOUT4)
AOUT_5: CA165.1 U57.13(AOUT5)
AOUT_6: CA166.1 U57.12(AOUT6)
AP-CK24M-OUT: J71.156(P156) TP144.1(TP)
AP-CK32K-OUT: J71.154(P154) RW31.1 RW92.1 RW101.1
AP-NMI: J71.107(P107) RP455.2 RU106.2
AP-WAKE-BT: J71.5(P5) RW47.2 U53.43(BT_WAKEUP_SLAVE) UW2.6(BT_WAKE)
AUDIO-AC-RST: CA172.1 J70.163(P163) R1086.1 RA166.2 UA11.36(RSTN)
AUDIO-BCLK: J70.167(P167) UA11.29(BCLK)
AUDIO-DIN: J70.173(P173) UA11.27(SDOUT)
AUDIO-DOUT: J70.171(P171) UA11.26(SDIN)
AUDIO-IRQ: R1082.2 TP143.1(TP) UA11.24(IRQ)
AUDIO-LRCK: J70.169(P169) UA11.28(LRCK)
AUDIO-MCLK: J70.165(P165) UA11.30(MCLK)
AUDIO-MUTE: J70.25(P25) RA5.2 RA69.2 RA106.2 RA157.1 RT16.2
AUDIO-PWR-EN: J70.27(P27) R81.1 RA98.1 RP286.2 RT17.2
AUTH-INT: J71.18(P18) J73.3 R158.1 R1075.1 R1081.1 R1096.1 R1098.1
AUX-IN-DSP-L: CA61.2 UA1.3(AINL3)
AUX-IN-DSP-R: CA63.2 UA1.4(AINR3)
AVD33BAK: CG5.2 RG9.2 UG1.22(AVD33BAK)
AVD33DC: CG6.2 RG2.2 RG4.2 UG1.23(AVD33DC)
AVDUSB: CG3.2 RG7.2 UG1.7(AVDUSB)
AXP515-IRQ: RP455.1 UP18.29(IRQ)
AXP515-PWROK: RP448.1 UP18.31(PWROK)
AXP515-PWRON: CP257.2 RP447.1 UP18.30(PWRON)
AXP515-SCK: RP449.1 UP18.32(SCL)
AXP515-SDA: RP452.1 UP18.33(SDA)
AXP519-IRQ: RU106.1 UP21.13(IRQ)
AXP519-SCK: RU104.1 UP21.12(SCK)
AXP519-SDA: RU105.1 UP21.11(SDA)
AXP2601-IRQ: R1075.2 RU107.2
AXP2601-SCL: RU102.1 U51.7(SCL)
AXP2601-SDA: RU103.1 U51.8(SDA)
B1: CON10.3 ESD87.2(CATHODE) R449.1 R452.2 R453.1 U47.7(B)
B2: CON11.3 ESD88.2(CATHODE) R960.1 R961.2 R963.1 U48.7(B)
BATDRV: Q53.4(G) UP21.22(BATDRV)
BATT-12V: DP1.1(A) J1.1(CENTER1) J10.1 J10.3 J10.5 J10.7 J66.1
BICK2: R1021.2 UA1.30(BICK2)
BICK3: R1024.2 UA1.29(BICK3/JX1)
BOOST-5V-EN: R1103.2 RP463.2
BOOST-5V-EN-1: RP454.2 RP463.1
BRAKE-DET: J10.10 R83.2
BSSET: RP411.2 UP21.14(BSSET)
BST1: CP294.2 UP21.31(BST1)
BST2: CP295.2 UP21.25(BST2)
BT-EN: Q45.3(D) RW62.2 RW94.1 RW96.1 RW102.2
BT-PCM-CLK: J70.84(P84) U53.27(AUD_CLK_BT) UW2.26(PCM_CLK)
BT-PCM-DIN: J70.90(P90) U53.13(AUD_OUT_BT) UW2.25(PCM_OUT)
BT-PCM-DOUT: J70.88(P88) U53.12(AUD_IN_BT) UW2.27(PCM_IN)
BT-PCM-SYNC: J70.86(P86) U53.10(AUD_FSYNC_BT) UW2.28(PCM_SYNC)
BT-RESETN: J71.3(P3) Q45.2(S) RW69.1
BT-UART-CTS: J70.80(P80) RW54.1 RW56.2 U53.26(HCI_CTS_BT) UW2.44(UART_CTS_N)
BT-UART-RTS: J70.78(P78) RW55.1 RW57.2 U53.25(HCI_RTS_BT) UW2.41(UART_RTS_N)
BT-UART-RX: J70.76(P76) RW53.1 U53.21(HCI_RX_BT) UW2.43(UART_RXD)
BT-UART-TX: J70.74(P74) RW52.1 U53.22(HCI_TX_BT) UW2.42(UART_TXD)
BT-WAKE-AP: J71.7(P7) RW44.1 U53.37(BT_WAKEUP_HOST) UW2.7(BT_HOST_WAKE)
BUSJ: RU28.2 UU4.18(BUSJ)
CAD: R1017.2 R1018.1 UA1.20(CAD/CSN)
CC1-AXP515: RP473.2 UP18.25(CC1)
CC1-C: CU19.2 DU13.2(CATHODE) JU2.A5(CC1) RP407.1 RP473.1 RU55.2 RU110.1
CC2-AXP515: RP474.2 UP18.26(CC2)
CC2-C: CU25.2 D56.2 DU12.2(CATHODE) JU2.B5(CC2) RP406.1 RP474.1 RU56.2 RU110.2
CC-INT: R1099.2 RU54.2 RU59.2
CC-SCK: J71.4(P4) RP449.2 RP464.2 RU58.2 RU102.2 RU104.2
CC-SDA: J71.6(P6) RP452.2 RP465.2 RU57.2 RU103.2 RU105.2
CHASIS-GND: CE16.2 JE1.11(SHIELD-1) JE1.12(SHIELD-0)
CLKOUT-125M: RE7.2 UE1.35(CLKOUT)
COD-MUTE: RA157.2 U57.20(MUTEC)
CODEC0-AVDD: CA103.1 CA105.1 CA107.1 CA108.1 RA86.2 RA87.2 UA3.10(AVCC) UA3.18(VCC_DIO)
COMB0-LANE0-N: J71.78(P78) U58.2(A0N)
COMB0-LANE0-N-C: C489.1 U58.4(C0N)
COMB0-LANE0-N-C-1: C489.2 LU3.2 RU17.2
COMB0-LANE0-P: J71.80(P80) U58.1(A0P)
COMB0-LANE0-P-C: C488.1 U58.3(C0P)
COMB0-LANE0-P-C-1: C488.2 LU3.1 RU46.2
COMB0-LANE1-N: J71.74(P74) U58.6(A1N)
COMB0-LANE1-N-C: LU5.2 RU43.2 U58.8(C1N)
COMB0-LANE1-P: J71.76(P76) U58.5(A1P)
COMB0-LANE1-P-C: LU5.1 RU45.2 U58.7(C1P)
COMB0-LANE2-N: J71.68(P68) U58.11(A2N)
COMB0-LANE2-N-C: LU4.1 RU20.2 U58.13(C2N)
COMB0-LANE2-P: J71.70(P70) U58.10(A2P)
COMB0-LANE2-P-C: LU4.2 RU18.2 U58.12(C2P)
COMB0-LANE3-N: J71.64(P64) U58.15(A3N)
COMB0-LANE3-N-C: C229.1 U58.17(C3N)
COMB0-LANE3-N-C-1: C229.2 LU7.2 RU42.2
COMB0-LANE3-P: J71.66(P66) U58.14(A3P)
COMB0-LANE3-P-C: C228.1 U58.16(C3P)
COMB0-LANE3-P-C-1: C228.2 LU7.1 RU44.2
COMP1: CP297.1 RP409.2 UP21.18(COMP1)
COMP2: CP296.1 RP408.2 UP21.17(COMP2)
CPUS-JTAG-TDI: J65.5 R112.1 R1096.2
CPUS-JTAG-TMS: J65.7 R107.1 R1093.2
CPUS-RX: J71.10(P10) R262.2 R1078.2
CPUS-TCK: J65.9 R103.1 R1094.2
CPUS-TDO: J65.11 R102.1 R1095.2
CPUS-TX: J71.8(P8) R261.2 R1077.2
CPUX-TCK: J57.9 R533.1 R534.1 R1084.2
CPUX-TDI: J57.5 R87.1 R1086.2
CPUX-TDO: J57.11 R93.1 R1085.2
CPUX-TMS: J57.7 R89.1 R1083.2
CS4361-MODE: RL233.1 RL234.1 RL235.1 RL236.1 U57.9(MODE)
CS4361-RST: Q47.3(C) RA145.1 U57.8(RST-N)
CSN-VBUS: CP292.1 RP403.1 UP21.1(CSN_VBUS)
CSP-VBAT: CP274.1 Q53.5(D1) RP401.2 UP21.21(CSP_VBAT)
CSP-VBUS: CP291.1 RP402.1 UP21.2(CSP_VBUS)
CTP0-INT: ESD7.2(CATHODE) J70.109(P109) JL1.63(P63) JL3.4(INT) RL220.1
CTP0-RST: ESD8.2(CATHODE) J70.111(P111) JL3.1(RST) RL40.2 RL221.1
CTP1-INT: ESD20.2(CATHODE) J71.29(P29) JL4.63(P63) JL6.4(INT) RL222.1
CTP1-RST: ESD21.2(CATHODE) J71.31(P31) JL6.1(RST) RL214.2 RL223.1
CTP1-SCK: ESD17.2(CATHODE) J71.33(P33) JL4.69(P69) JL6.6(SCL) RL26.1
CTP1-SDA: ESD16.2(CATHODE) J71.35(P35) JL4.67(P67) JL6.5(SDA) RL27.1
